# KiCad board CPU2908C.kicad_pcb (continued)
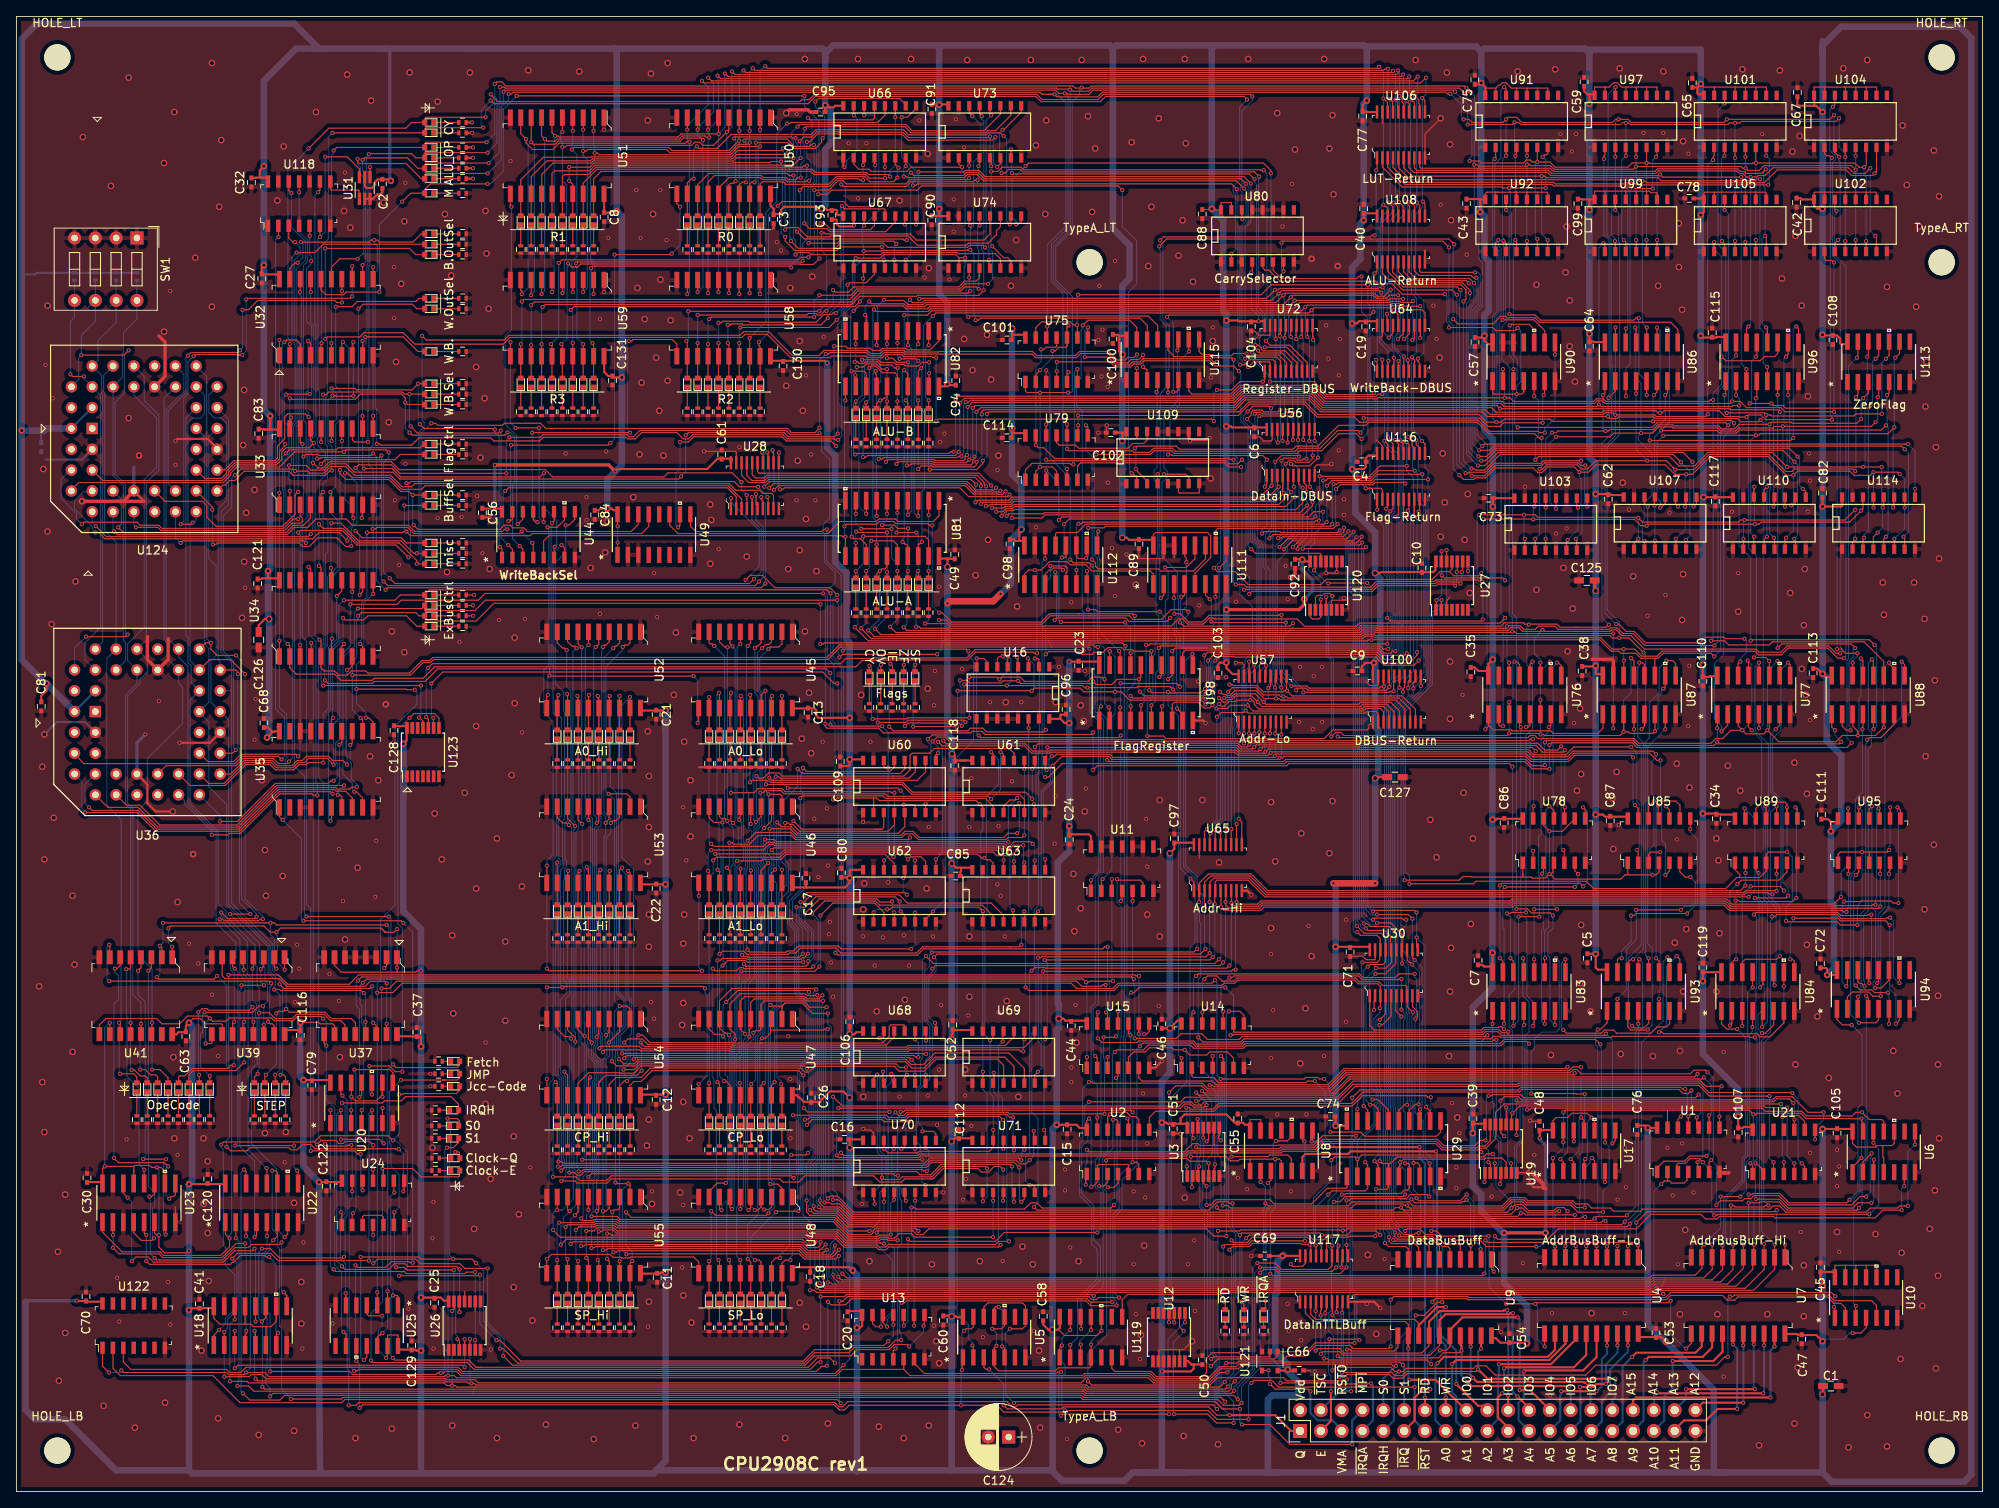
[diagram p0: board, top side]
## Nets (continued)
/Executer/WRO7: U57.9 U63.9 U85.13
/Executer/WRO8: U65.2 U68.7 U89.2
/Executer/WRO9: U65.3 U68.9 U89.5
/Executer/WRO10: U65.4 U69.7 U89.10
/Executer/WRO11: U65.5 U69.9 U89.13
/Executer/WRO12: U65.6 U70.7 U95.2
/Executer/WRO13: U65.7 U70.9 U95.5
/Executer/WRO14: U65.8 U71.7 U95.10
/Executer/WRO15: U65.9 U71.9 U95.13
/IO0: J1.18 U9.12 U117.2
/IO1: J1.20 U9.13 U117.3
/IO2: J1.22 U9.14 U117.4
/IO3: J1.24 U9.15 U117.5
/IO4: J1.26 U9.16 U117.6
/IO5: J1.28 U9.17 U117.7
/IO6: J1.30 U9.18 U117.8
/IO7: J1.32 U9.19 U117.9
/IRQH: J1.9 U10.5 U14.2
/Q: D160.2 U2.6 U25.11 U44.5 U81.11 U82.11
/S0: J1.10 S0.2 U14.4 U17.9 U22.3 U122.1
/S1: J1.12 S1.2 U13.5 U14.5 U17.5 U22.6
/Sequencer/BROM/A0: D148.2 U36.24 U37.14 U124.24
/Sequencer/BROM/A1: D149.2 U36.25 U37.13 U124.25
/Sequencer/BROM/A2: D150.2 U36.26 U37.12 U124.26
/Sequencer/BROM/A3: D151.2 U36.27 U37.11 U124.27
/Sequencer/BROM/A4: D152.2 U36.28 U39.14 U124.28
/Sequencer/BROM/A5: D153.2 U36.29 U39.13 U124.29
/Sequencer/BROM/A6: D154.2 U36.30 U39.12 U124.30
/Sequencer/BROM/A7: D155.2 U36.31 U39.11 U124.31
/Sequencer/BROM/A8: D156.2 U36.32 U41.14 U124.32
/Sequencer/BROM/A9: D157.2 U36.35 U41.13 U124.35
/Sequencer/BROM/A10: D158.2 U36.36 U41.12 U124.36
/Sequencer/BROM/A11: D159.2 U36.37 U41.11 U124.37
/Sequencer/BROM/A12: R150.2 SW1.8 U36.38 U124.38
/Sequencer/BROM/A13: R149.2 SW1.7 U36.39 U124.39
/Sequencer/BROM/A14: R148.2 SW1.6 U36.40 U124.40
/Sequencer/BROM/A15: R129.2 SW1.5 U36.41 U124.41
/Sequencer/BROM/load: U25.9 U37.9 U39.9 U41.9
/Sequencer/BROM/update: U24.8 U37.2 U39.2 U41.2
/Sequencer/CY: D28.2 U16.6 U80.6 U98.2 U116.2
/Sequencer/D0: U32.3 U124.21
/Sequencer/D1: U32.4 U124.20
/Sequencer/D2: U32.7 U124.19
/Sequencer/D3: U32.8 U124.18
/Sequencer/D4: U32.13 U124.17
/Sequencer/D5: U32.14 U124.16
/Sequencer/D6: U32.17 U124.15
/Sequencer/D7: U32.18 U124.14
/Sequencer/D8: U33.3 U124.11
/Sequencer/D9: U33.4 U124.10
/Sequencer/D10: U28.2 U33.7 U124.9
/Sequencer/D11: U28.3 U33.8 U124.8
/Sequencer/D12: U28.4 U118.9 U124.7
/Sequencer/D13: U28.5 U33.14 U124.6
/Sequencer/D14: U28.6 U33.17 U124.5
/Sequencer/D15: U28.7 U33.18 U124.4
/Sequencer/D16: U28.8 U34.3 U36.21
/Sequencer/D17: U28.9 U36.20 U118.12
/Sequencer/D18: U34.7 U36.19
/Sequencer/D19: U34.8 U36.18
/Sequencer/D20: U19.9 U21.5 U34.13 U36.17
/Sequencer/D21: U34.14 U36.16
/Sequencer/D22: U34.17 U36.15
/Sequencer/D23: U36.14 U118.5
/Sequencer/D23B: U19.13 U24.13 U31.6 U118.6
/Sequencer/D24: U36.11
/Sequencer/D25: U36.10
/Sequencer/D26: U35.7 U36.9
/Sequencer/D27: U35.8 U36.8
/Sequencer/D28: U35.13 U36.7
/Sequencer/D29: U35.14 U36.6
/Sequencer/D30: U36.5
/Sequencer/D31: U36.4 U118.2
/Sequencer/D31B: D185.2 U25.2 U25.12 U118.3
/Sequencer/DO0: U28.18 U29.19 U30.18 U56.2
/Sequencer/DO1: U28.17 U29.18 U30.17 U56.3
/Sequencer/DO2: U28.16 U29.17 U30.16 U56.4
/Sequencer/DO3: U28.15 U29.16 U30.15 U56.5
/Sequencer/DO4: U28.14 U29.15 U30.14 U56.6
/Sequencer/DO5: U28.13 U29.14 U30.13 U56.7
/Sequencer/DO6: U28.12 U29.13 U30.12 U56.8
/Sequencer/DO7: U28.11 U29.12 U30.11 U56.9
/Sequencer/DO_JUMP: D182.2 U24.6 U26.3
/Sequencer/FlagIn3: D29.2 U11.1 U16.5 U98.9 U116.5
/Sequencer/FlagIn6: D31.2 U15.2 U16.4 U98.16 U116.8
/Sequencer/FlagIn7: D32.2 U11.2 U16.3 U98.19 U116.9
/Sequencer/JG: U20.10 U123.8
/Sequencer/JL: U11.3 U15.1 U20.4
/Sequencer/JUMP_OP: D183.2 U13.11 U18.1
/Sequencer/OP4: U18.4 U23.2
/Sequencer/OP5: U18.7 U23.5
/Sequencer/OP6: U18.12 U23.14
/Sequencer/OP7: U18.9 U23.11
/Sequencer/OpeCode0: U22.4 U39.3
/Sequencer/OpeCode1: U22.7 U39.4
/Sequencer/OpeCode2: U22.12 U39.5
/Sequencer/OpeCode3: U22.9 U39.6
/Sequencer/OpeCode4: U23.4 U41.3
/Sequencer/OpeCode5: U23.7 U41.4
/Sequencer/OpeCode6: U23.12 U41.5
/Sequencer/OpeCode7: U23.9 U41.6
/Sequencer/RegCtrl20: D21.2 U34.12
/TSC: U3.2 U4.1 U7.1 U8.1 U8.4 U8.10
/VMA: J1.5 U121.4
/~{clkE}: U3.8 U25.3 U29.11 U32.11 U33.11 U34.11 U35.11 U44.4
/~{clkQ}: U3.6 U6.3 U21.2 U98.11
/~{IRQA}: J1.7 U8.3
/~{IRQ}: J1.11 U10.2
/~{MPI}: J1.8 U5.8 U5.12
/~{RD}: J1.14 U8.8
/~{Reset}: J1.13 U1.13 U5.1 U5.13 U6.1 U6.13 U17.1 U17.13 U21.1 U25.10 U32.1 U33.1 U34.1 U35.1 U119.1 U119.13
/~{TSC}: J1.4 U1.12
/~{WR}: J1.16 U8.6
Net-(D1-Pad1): D1.1 R1.2
Net-(D2-Pad1): D2.1 R2.2
Net-(D3-Pad1): D3.1 R3.2
Net-(D4-Pad1): D4.1 R4.2
Net-(D5-Pad1): D5.1 R5.2
Net-(D6-Pad1): D6.1 R6.2
Net-(D7-Pad1): D7.1 R7.2
Net-(D8-Pad1): D8.1 R8.2
Net-(D9-Pad1): D9.1 R9.2
Net-(D10-Pad1): D10.1 R10.2
Net-(D11-Pad1): D11.1 R11.2
Net-(D12-Pad1): D12.1 R12.2
Net-(D13-Pad1): D13.1 R13.2
Net-(D14-Pad1): D14.1 R14.2
Net-(D15-Pad1): D15.1 R15.2
Net-(D16-Pad1): D16.1 R16.2
Net-(D17-Pad1): D17.1 R17.2
Net-(D18-Pad1): D18.1 R18.2
Net-(D19-Pad1): D19.1 R19.2
Net-(D20-Pad1): D20.1 R20.2
Net-(D21-Pad1): D21.1 R21.2
Net-(D22-Pad1): D22.1 R22.2
Net-(D23-Pad1): D23.1 R23.2
Net-(D24-Pad1): D24.1 R24.2
Net-(D25-Pad1): D25.1 R25.2
Net-(D26-Pad1): D26.1 R26.2
Net-(D27-Pad1): D27.1 R27.2
Net-(D28-Pad1): D28.1 R28.2
Net-(D29-Pad1): D29.1 R29.2
Net-(D30-Pad1): D30.1 R30.2
Net-(D31-Pad1): D31.1 R31.2
Net-(D32-Pad1): D32.1 R32.2
Net-(D33-Pad1): D33.1 R33.2
Net-(D34-Pad1): D34.1 R34.2
Net-(D35-Pad1): D35.1 R35.2
Net-(D36-Pad1): D36.1 R36.2
Net-(D37-Pad1): D37.1 R37.2
Net-(D38-Pad1): D38.1 R38.2
Net-(D39-Pad1): D39.1 R39.2
Net-(D40-Pad1): D40.1 R40.2
Net-(D41-Pad1): D41.1 R41.2
Net-(D42-Pad1): D42.1 R42.2
Net-(D43-Pad1): D43.1 R43.2
Net-(D44-Pad1): D44.1 R44.2
Net-(D45-Pad1): D45.1 R45.2
Net-(D46-Pad1): D46.1 R46.2
Net-(D47-Pad1): D47.1 R47.2
Net-(D48-Pad1): D48.1 R48.2
Net-(D49-Pad1): D49.1 R49.2
Net-(D50-Pad1): D50.1 R50.2
Net-(D51-Pad1): D51.1 R51.2
Net-(D52-Pad1): D52.1 R52.2
Net-(D53-Pad1): D53.1 R53.2
Net-(D54-Pad1): D54.1 R54.2
Net-(D55-Pad1): D55.1 R55.2
Net-(D56-Pad1): D56.1 R56.2
Net-(D57-Pad1): D57.1 R57.2
Net-(D58-Pad1): D58.1 R58.2
Net-(D59-Pad1): D59.1 R59.2
Net-(D60-Pad1): D60.1 R60.2
Net-(D61-Pad1): D61.1 R61.2
Net-(D62-Pad1): D62.1 R62.2
Net-(D63-Pad1): D63.1 R63.2
Net-(D64-Pad1): D64.1 R64.2
Net-(D65-Pad1): D65.1 R65.2
Net-(D66-Pad1): D66.1 R66.2
Net-(D67-Pad1): D67.1 R67.2
Net-(D68-Pad1): D68.1 R68.2
Net-(D69-Pad1): D69.1 R69.2
Net-(D70-Pad1): D70.1 R70.2
Net-(D71-Pad1): D71.1 R71.2
Net-(D72-Pad1): D72.1 R72.2
Net-(D73-Pad1): D73.1 R73.2
Net-(D74-Pad1): D74.1 R74.2
Net-(D75-Pad1): D75.1 R75.2
Net-(D76-Pad1): D76.1 R76.2
Net-(D77-Pad1): D77.1 R77.2
Net-(D78-Pad1): D78.1 R78.2
Net-(D79-Pad1): D79.1 R79.2
Net-(D80-Pad1): D80.1 R80.2
Net-(D81-Pad1): D81.1 R81.2
Net-(D82-Pad1): D82.1 R82.2
Net-(D83-Pad1): D83.1 R83.2
Net-(D84-Pad1): D84.1 R84.2
Net-(D85-Pad1): D85.1 R85.2
Net-(D86-Pad1): D86.1 R86.2
Net-(D87-Pad1): D87.1 R87.2
Net-(D88-Pad1): D88.1 R88.2
Net-(D89-Pad1): D89.1 R89.2
Net-(D90-Pad1): D90.1 R90.2
Net-(D91-Pad1): D91.1 R91.2
Net-(D92-Pad1): D92.1 R92.2
Net-(D93-Pad1): D93.1 R93.2
Net-(D94-Pad1): D94.1 R94.2
Net-(D95-Pad1): D95.1 R95.2
Net-(D96-Pad1): D96.1 R96.2
Net-(D97-Pad1): D97.1 R97.2
Net-(D98-Pad1): D98.1 R98.2
Net-(D99-Pad1): D99.1 R99.2
Net-(D100-Pad1): D100.1 R100.2
Net-(D101-Pad1): D101.1 R101.2
Net-(D102-Pad1): D102.1 R102.2
Net-(D103-Pad1): D103.1 R103.2
Net-(D104-Pad1): D104.1 R104.2
Net-(D105-Pad1): D105.1 R105.2
Net-(D106-Pad1): D106.1 R106.2
Net-(D107-Pad1): D107.1 R107.2
Net-(D108-Pad1): D108.1 R108.2
Net-(D109-Pad1): D109.1 R109.2
Net-(D110-Pad1): D110.1 R110.2
Net-(D111-Pad1): D111.1 R111.2
Net-(D112-Pad1): D112.1 R112.2
Net-(D113-Pad1): D113.1 R113.2
Net-(D114-Pad1): D114.1 R114.2
Net-(D115-Pad1): D115.1 R115.2
Net-(D116-Pad1): D116.1 R116.2
Net-(D117-Pad1): D117.1 R117.2
Net-(D118-Pad1): D118.1 R118.2
Net-(D119-Pad1): D119.1 R119.2
Net-(D120-Pad1): D120.1 R120.2
Net-(D121-Pad1): D121.1 R121.2
Net-(D122-Pad1): D122.1 R122.2
Net-(D123-Pad1): D123.1 R123.2
Net-(D124-Pad1): D124.1 R124.2
Net-(D125-Pad1): D125.1 R125.2
Net-(D126-Pad1): D126.1 R126.2
Net-(D127-Pad1): D127.1 R127.2
Net-(D128-Pad1): D128.1 R128.2
Net-(D129-Pad1): D129.1 R130.2
Net-(D130-Pad1): D130.1 R131.2
Net-(D131-Pad1): D131.1 R132.2
Net-(D132-Pad1): D132.1 R133.2
Net-(D133-Pad1): D133.1 R134.2
Net-(D134-Pad1): D134.1 R135.2
Net-(D135-Pad1): D135.1 R136.2
Net-(D136-Pad1): D136.1 R137.2
Net-(D137-Pad1): D137.1 R138.2
Net-(D138-Pad1): D138.1 R139.2
Net-(D139-Pad1): D139.1 R140.2
Net-(D140-Pad1): D140.1 R141.2
Net-(D141-Pad1): D141.1 R142.2
Net-(D142-Pad1): D142.1 R143.2
Net-(D143-Pad1): D143.1 R144.2
Net-(D144-Pad1): D144.1 R145.2
Net-(D145-Pad1): D145.1 R172.2
Net-(D145-Pad2): D145.2 U6.8 U8.2
Net-(D146-Pad1): D146.1 R173.2
Net-(D146-Pad2): D146.2 U8.5 U119.6
Net-(D147-Pad1): D147.1 R174.2
Net-(D147-Pad2): D147.2 U8.9 U119.8
Net-(D148-Pad1): D148.1 R175.2
Net-(D149-Pad1): D149.1 R176.2
Net-(D150-Pad1): D150.1 R177.2
Net-(D151-Pad1): D151.1 R178.2
Net-(D152-Pad1): D152.1 R179.2
Net-(D153-Pad1): D153.1 R180.2
Net-(D154-Pad1): D154.1 R181.2
Net-(D155-Pad1): D155.1 R182.2
Net-(D156-Pad1): D156.1 R183.2
Net-(D157-Pad1): D157.1 R184.2
Net-(D158-Pad1): D158.1 R185.2
Net-(D159-Pad1): D159.1 R186.2
Net-(D160-Pad1): D160.1 R146.2
Net-(D161-Pad1): D161.1 R147.2
Net-(D182-Pad1): D182.1 R187.2
Net-(D183-Pad1): D183.1 R188.2
Net-(D184-Pad1): D184.1 R189.2
Net-(D184-Pad2): D184.2 U17.3 U17.11 U25.6
Net-(D185-Pad1): D185.1 R190.2
Net-(J1-Pad6): J1.6
Net-(R170-Pad2): R170.2 S0.1
Net-(R171-Pad2): R171.2 S1.1
Net-(U1-Pad3): U1.3 U6.12
Net-(U1-Pad5): U1.5 U3.10
Net-(U1-Pad6): U1.6 U6.2 U119.2
Net-(U1-Pad8): U1.8 U119.12
Net-(U1-Pad10): U1.10 U3.12
Net-(U1-Pad11): U1.11 U3.1
Net-(U2-Pad8): U2.8 U4.11 U7.11
Net-(U2-Pad11): U2.11 U9.11
Net-(U5-Pad6): U5.6
Net-(U5-Pad9): U5.9
Net-(U5-Pad11): U5.5 U5.11
Net-(U6-Pad5): U6.5
Net-(U6-Pad9): U6.9
Net-(U8-Pad11): U8.11
Net-(U10-Pad1): U10.1 U12.2
Net-(U10-Pad6): U10.6
Net-(U10-Pad8): U10.8
Net-(U10-Pad9): U10.9
Net-(U11-Pad4): U11.4 U16.7
Net-(U11-Pad5): U11.5 U19.2 U20.11
Net-(U11-Pad6): U11.6 U13.9
Net-(U11-Pad8): U11.8
Net-(U11-Pad11): U11.11
Net-(U12-Pad1): U12.1 U13.6
Net-(U12-Pad3): U12.3 U14.6 U15.5
Net-(U12-Pad4): U12.4 U17.12
Net-(U12-Pad8): U12.8
Net-(U12-Pad12): U12.12
Net-(U13-Pad4): U13.4 U15.10 U17.8
Net-(U13-Pad8): U13.8 U24.4
Net-(U13-Pad10): U13.10 U15.13 U19.4
Net-(U13-Pad12): U13.12 U15.11
Net-(U13-Pad13): U13.13 U14.8
Net-(U14-Pad9): U14.9 U19.6
Net-(U15-Pad6): U15.6 U17.2
Net-(U15-Pad8): U15.8 U22.1 U23.1
Net-(U15-Pad12): U15.12 U20.3 U20.9 U20.12
Net-(U16-Pad9): U16.9
Net-(U18-Pad3): U18.3 U26.4
Net-(U19-Pad8): U19.8 U21.10
Net-(U19-Pad10): U19.10 U30.1
Net-(U19-Pad11): U19.11 U21.8
Net-(U19-Pad12): U19.12 U21.4 U21.9 U28.1
Net-(U20-Pad1): U20.1 U26.6
Net-(U20-Pad2): U20.2 U26.12
Net-(U20-Pad6): U20.6 U24.1
Net-(U20-Pad8): U20.8 U24.2
Net-(U21-Pad3): U21.3 U24.9 U25.1
Net-(U21-Pad6): U3.3 U21.6
Net-(U24-Pad3): U24.3 U24.5
Net-(U24-Pad11): U24.11 U34.4
Net-(U25-Pad5): U25.5
Net-(U25-Pad8): U25.8
Net-(U26-Pad2): U26.2
Net-(U26-Pad8): U26.8
Net-(U26-Pad10): U26.10
Net-(U27-Pad2): U27.2 U78.1 U78.4 U78.9 U78.12 U85.1 U85.4 U85.9 U85.12
Net-(U27-Pad4): U27.4
Net-(U27-Pad8): U27.8 U75.9 U75.13
Net-(U27-Pad9): U27.9 U79.6
Net-(U27-Pad10): U27.10 U79.12
Net-(U27-Pad12): U27.12 U89.1 U89.4 U89.9 U89.12 U95.1 U95.4 U95.9 U95.12
Net-(U29-Pad1): U3.4 U29.1
Net-(U31-Pad4): U31.4 U33.13
Net-(U34-Pad19): U34.19
Net-(U35-Pad2): U35.2
Net-(U35-Pad5): U35.5
Net-(U35-Pad16): U35.16
Net-(U35-Pad19): U35.19
Net-(U36-Pad1): U36.1
Net-(U36-Pad2): U36.2
Net-(U36-Pad13): U36.13
Net-(U36-Pad23): U36.23
Net-(U36-Pad33): U36.33
Net-(U36-Pad42): U36.42
Net-(U37-Pad15): U37.15 U39.7
Net-(U39-Pad15): U39.15 U41.7
Net-(U41-Pad15): U41.15
Net-(U49-Pad4): U49.4
Net-(U49-Pad5): U49.5
Net-(U49-Pad6): U49.6
Net-(U49-Pad7): U49.7
Net-(U49-Pad10): U49.10 U82.1
Net-(U49-Pad11): U49.11 U81.1
Net-(U49-Pad12): U49.12
Net-(U75-Pad3): U75.3 U77.1 U88.1
Net-(U75-Pad6): U75.6 U79.1
Net-(U76-Pad4): U76.4 U83.5
Net-(U76-Pad7): U76.7 U83.3
Net-(U76-Pad9): U76.9 U83.12
Net-(U76-Pad12): U76.12 U83.14
Net-(U77-Pad4): U77.4 U84.5
Net-(U77-Pad7): U77.7 U84.3
Net-(U77-Pad9): U77.9 U84.12
Net-(U77-Pad12): U77.12 U84.14
Net-(U79-Pad9): U79.9 U90.8
Net-(U79-Pad10): U79.10 U90.6
Net-(U80-Pad9): U80.9
Net-(U83-Pad9): U83.9 U93.7
Net-(U84-Pad7): U84.7 U93.9
Net-(U84-Pad9): U84.9 U94.7
Net-(U86-Pad7): U86.7 U96.9
Net-(U87-Pad4): U87.4 U93.5
Net-(U87-Pad7): U87.7 U93.3
Net-(U87-Pad9): U87.9 U93.12
Net-(U87-Pad12): U87.12 U93.14
Net-(U88-Pad4): U88.4 U94.5
Net-(U88-Pad7): U88.7 U94.3
Net-(U88-Pad9): U88.9 U94.12
Net-(U88-Pad12): U88.12 U94.14
Net-(U90-Pad10): U90.3 U90.10
Net-(U91-Pad9): U91.9
Net-(U92-Pad9): U92.9
Net-(U94-Pad9): U94.9
Net-(U97-Pad9): U97.9
Net-(U99-Pad9): U99.9
Net-(U100-Pad1): U100.1 U115.4
Net-(U101-Pad9): U101.9
Net-(U102-Pad9): U102.9
Net-(U103-Pad2): U75.11 U79.13 U103.2 U107.2 U110.2 U114.2
Net-(U103-Pad14): U27.11 U75.8 U103.14 U107.14 U110.14 U114.14
Net-(U104-Pad9): U104.9
Net-(U105-Pad9): U105.9
Net-(U106-Pad1): U106.1 U115.5
Net-(U108-Pad1): U108.1 U115.6
Net-(U109-Pad4): U86.9 U109.4
Net-(U109-Pad9): U109.9
Net-(U109-Pad14): U79.11 U109.14
Net-(U111-Pad4): U98.3 U111.4
Net-(U111-Pad7): U98.4 U111.7
Net-(U111-Pad9): U98.8 U111.9
Net-(U111-Pad12): U98.7 U111.12
Net-(U112-Pad4): U98.13 U112.4
Net-(U112-Pad7): U98.14 U112.7
Net-(U112-Pad9): U98.18 U112.9
Net-(U112-Pad12): U98.17 U112.12
Net-(U113-Pad1): U113.1
Net-(U113-Pad6): U113.6
Net-(U113-Pad8): U113.8
Net-(U115-Pad7): U115.7 U116.1
Net-(U115-Pad9): U64.1 U115.9
Net-(U115-Pad10): U56.1 U115.10
Net-(U115-Pad11): U65.1 U115.11
Net-(U115-Pad12): U57.1 U115.12
Net-(U115-Pad15): U115.15 U123.10
Net-(U118-Pad8): U31.1 U118.8
Net-(U118-Pad11): U24.12 U118.11
Net-(U119-Pad5): U119.5
Net-(U119-Pad9): U119.9
Net-(U120-Pad1): U79.3 U120.1 U120.3
Net-(U120-Pad6): U120.6
Net-(U120-Pad8): U120.8
Net-(U120-Pad10): U120.10
Net-(U120-Pad12): U75.4 U120.12
Net-(U122-Pad2): U15.9 U17.6 U122.2
Net-(U122-Pad3): U15.4 U122.3
Net-(U123-Pad2): U123.2
Net-(U123-Pad9): U15.3 U123.9
Net-(U124-Pad1): U124.1
Net-(U124-Pad2): U124.2
Net-(U124-Pad13): U124.13
Net-(U124-Pad23): U124.23
Net-(U124-Pad33): U124.33
Net-(U124-Pad42): U124.42

Pads without a net: U12 5 6 10 11; U13 1 2 3; U14 3 11; U21 11 12 13; U27 5 6; U122 4 5 6 8 9 10 11 12 13; U123 3 4 5 6 12 13

## Via types
v1: diameter 0.8, hole 0.5, Top to Bottom, 463 vias
v2: diameter 0.5, hole 0.3, Top to Bottom, 3140 vias
v3: diameter 0.8, hole 0.4, Top to Bottom, 99 vias

## Routing (per net, layer and track width the routed paths; a pad name or vN(x,y) marks a point on that pad's centre or on a via; arc(x,y) is an arc through that point)
+5V: length 3584.1
  Top w0.127: 30.47,20.12 31.07,20.12 31.72,20.77 U18.10 ; 30.47,20.12 30.46,20.13 28.94,20.13 28.62,20.44 27.86,20.44 ; 30.47,20.12 30.47,18.47 ; 192.63,44.06 192.63,45.28 v2(192.26,45.65) 191.74,46.16 189.86,46.16 189.34,45.65 187.95,45.65 187.56,45.27 187.56,44.89 ; v2(49.39,63.56) 48.94,63.56 48.75,63.37 46.52,63.37 ; v2(45.13,16.31) 45.13,16.49 45.31,16.67 U25.13 45.31,19.1 46.59,19.1 46.59,18.34 ; U49.16 73.38,117.8 v2(73.39,117.78) ; 38.85,56.06 38.85,56.82 38.59,57.08 37.07,57.08 36.89,57.26 v3(34.66,57.26) ; 185.66,158.04 185.66,158.55 185.66,158.55 ; 13.83,39.68 14.34,39.68 ; 13.83,39.68 13.96,39.68 ; 13.83,39.68 v2(10.78,39.68) 10.53,39.43 10.53,38.41 ; 14.34,39.68 14.34,39.04 ; 14.34,39.68 14.46,39.8 16.27,39.8 16.51,39.56 ; 27.86,20.44 24.81,20.44 24.1,21.15 U18.16 ; 27.86,20.44 27.91,20.49 U18.13 ; 209.79,158.55 211.06,158.55 ; 209.79,158.55 209.79,158.04 ; 209.79,158.55 207.25,158.55 ; 211.06,158.55 212.33,158.55 ; 211.06,158.55 211.06,158.04 ; 16.51,39.56 16.51,39.55 v2(17.13,39.55) 17.64,39.55 18.13,39.06 U23.10 ; 16.51,39.56 16.63,39.56 16.64,39.56 ; 14.34,39.04 14.34,39.3 ; 14.34,39.04 14.34,38.41 ; 199,158.67 199.31,158.67 199.49,158.49 200.2,158.49 200.26,158.42 200.26,157.79 ; 199,158.67 199,157.79 ; 199,158.67 197.59,158.67 ; U6.14 224.12,42.49 224.58,42.04 226.88,42.04 227.07,42.22 227.82,42.22 ; 179.31,171.25 180.58,171.25 ; 180.58,171.25 180.96,171.63 181.09,171.63 181.35,171.89 181.86,171.89 181.86,171.88 182.48,171.25 183.12,171.25 ; 180.58,171.25 180.58,170.74 ; 197.72,171.38 197.72,170.74 ; 197.72,171.38 199,171.38 ; 197.72,171.38 196.46,171.38 ; 212.33,158.55 213.47,158.55 213.6,158.42 213.6,158.04 ; 212.33,158.55 212.33,158.17 ; 209.79,170.62 209.79,171.38 ; 209.79,171.38 207.25,171.38 ; 209.79,171.38 211.06,171.38 ; v2(131.18,17.95) 131.18,16.95 ; 46.52,63.37 46.47,63.43 v2(46.47,63.94) 46.47,65.57 46.45,65.59 ; 46.52,63.37 39.66,63.37 38.83,64.21 U37.7 ; v2(32.75,63.68) 32.74,63.7 U39.1 ; 185.66,158.55 185.67,158.55 186.81,158.55 186.93,158.42 186.93,157.92 ; 185.66,158.55 184.39,158.55 ; 192.63,170.36 192.63,171.36 192.65,171.38 193.91,171.38 ; U23.6 16.86,31.57 17.13,31.3 v2(17.38,31.3) 17.38,29.85 18.1,29.14 20.81,29.14 v2(21.07,29.4) ; 223.25,158.55 224.52,158.55 ; 223.25,158.55 220.71,158.55 ; 223.25,158.55 223.25,158.04 ; 224.52,158.55 225.79,158.55 ; 224.52,158.55 224.52,158.04 ; C104.1 151.54,142.72 v2(151.62,142.8) ; 136.76,129.09 136.76,128.58 136.64,128.45 135.62,128.45 135.48,128.59 U109.16 ; 207.25,171.38 207.25,170.74 ; 207.25,171.38 205.98,171.38 v3(205.6,171.76) ; 184.39,158.55 184.37,158.53 U92.12 ; 184.39,158.55 183.12,158.55 ; 227.82,42.22 227.82,40.83 227.94,40.71 U6.4 ; 227.82,42.22 228.96,42.22 229.21,42.47 229.21,43.35 ; 224.52,171.38 225.79,171.38 ; 224.52,171.38 223.12,171.38 ; 224.52,171.38 224.52,170.74 ; 225.79,171.38 225.79,170.62 ; 225.79,171.38 227.06,171.38 227.06,170.49 ; 225.79,158.55 226.94,158.55 227.06,158.42 227.06,158.04 ; 225.79,158.55 225.79,158.04 ; 220.71,158.55 220.71,158.04 ; 220.71,158.55 219.54,158.55 219.43,158.44 U102.16 ; U10.14 221.97,27.6 221.98,27.61 223.25,27.61 ; 192.63,157.66 192.63,158.66 192.65,158.68 193.91,158.68 ; 180.58,158.55 180.56,158.53 U92.15 ; 180.58,158.55 179.48,158.55 179.29,158.36 U92.16 ; 180.58,158.55 180.83,158.55 ; 207.25,158.55 206.11,158.55 205.96,158.41 U105.16 ; 207.25,158.55 207.25,158.17 ; 220.71,171.38 220.71,170.62 ; 220.71,171.38 223.12,171.38 ; 220.71,171.38 219.44,171.38 219.43,171.36 U104.16 ; U80.4 150.85,148.89 v2(150.73,148.77) ; 225.79,20.5 225.79,19.99 225.16,19.36 v2(224.14,19.36) ; 211.06,171.38 212.33,171.38 ; 211.06,171.38 211.06,170.49 ; 212.33,171.38 213.6,171.38 213.6,170.62 ; 212.33,171.38 212.33,170.49 ; 199,171.38 199,170.74 ; 199,171.38 200.26,171.38 200.26,170.74 ; 196.46,157.92 196.46,158.68 196.33,158.68 ; 45.2,68.25 44.99,68.25 44.48,68.76 32.24,68.76 v2(31.74,68.25) 30.97,68.25 30.21,69.02 18.82,69.02 v2(18.55,68.74) ; 45.2,68.25 45.04,68.25 44.53,68.76 ; 45.2,68.25 46.09,68.25 v2(46.47,68.64) ; 185.66,171.25 186.93,171.25 186.93,170.62 ; 185.66,171.25 184.39,171.25 ; 185.66,171.25 185.66,170.62 ; U2.14 130.65,45.25 v2(130.92,45.52) ; U119.4 131.16,15.28 130.99,15.11 127.19,15.11 126.82,14.73 119.89,14.73 119.35,15.27 U5.4 119.35,17.52 v2(119.62,17.79) ; v2(19.02,66.48) 19.02,65.46 ; 224.52,27.61 224.52,26.85 ; 224.52,27.61 225.79,27.61 ; 224.52,27.61 223.25,27.61 ; 25.13,56.06 25.13,56.95 25.01,57.08 23.1,57.08 22.48,57.7 21.56,57.7 v3(21.07,57.21) ; 193.91,158.68 193.91,157.92 ; 193.91,158.68 196.33,158.68 ; 180.83,158.55 180.84,158.55 183.11,158.55 183.12,158.55 ; 180.83,158.55 180.96,158.55 ; 183.12,171.25 183.12,170.74 ; 183.12,171.25 184.39,171.25 ; v2(11.39,57.21) 11.4,57.2 U41.10 ; 196.46,171.38 195.95,171.38 195.43,171.89 194.94,171.89 194.42,171.38 193.91,171.38 ; 196.46,171.38 196.46,170.74 ; 127.18,19.8 127.93,19.05 131.89,19.05 v2(132.45,19.61) 132.43,19.63 U119.10 ; 223.12,171.38 223.25,171.38 223.25,170.49 ; 49.26,55.55 49.39,55.43 ; 183.12,158.55 182.87,158.55 ; 183.12,158.55 183.12,157.92 ; v2(44.64,21.45) 42.98,21.45 42.78,21.65 42.78,22.03 ; 225.79,27.61 227.06,27.61 227.06,26.72 ; 225.79,27.61 225.79,26.85 ; U111.16 138.78,116.75 139.05,117.02 145.4,117.02 145.78,116.64 145.78,113.97 143.88,112.07 143.88,111.31 ; v2(191.5,40.57) 191.36,40.43 U17.4 ; C88.1 145.82,156.43 v3(145.91,156.52) 146.04,156.39 U80.16 147.04,157.26 147.05,157.28 148.32,157.28 148.32,156.9 ; v2(73.39,115.81) 73.39,114.48 ; v2(119.11,19.87) 120.25,19.87 120.62,20.23 120.62,20.49 ; 196.33,158.68 197.37,158.68 197.38,158.67 197.59,158.67 ; 223.25,27.61 223.25,26.85 ; 193.91,171.38 193.91,170.74 ; 197.59,158.67 197.72,158.67 197.72,157.92 ; 184.39,171.25 184.39,170.74 ; v2(131.19,37.2) 131.37,37.2 131.92,37.76 U2.2 131.92,39.79 132.04,39.9 135.65,39.9 135.75,39.81 135.75,39.04 ; U8.14 150.59,45.38 150.61,45.39 151.88,45.39 151.88,44.76
  Top w0.25: 122.41,116.01 122.41,117.15 v1(122.67,117.4) ; 122.41,116.01 122.92,116.01 ; 122.41,116.01 121.94,116.01 121.77,116.17 C98.1 ; 29.7,160.33 29.23,160.33 29.19,160.29 C32.1 ; 29.7,160.33 30.72,160.33 ; 29.7,160.33 29.7,161.22 v3(30.21,161.73) ; v1(114.16,76.64) 114.56,76.24 114.56,76.24 114.67,76.13 115.3,76.13 ; U13.14 103.22,22.01 103.2,22.03 101.46,22.03 ; 192.01,157.66 v3(192.01,156.39) ; 192.01,157.66 192.65,157.66 ; 192.01,157.66 191.14,157.66 191.1,157.7 C99.1 ; 113.65,113.85 114,113.85 114.04,113.81 C49.1 ; 113.65,113.85 v1(113.65,112.83) ; 113.65,113.85 112.64,113.85 ; 150.48,44.76 149.97,44.76 149.72,45.01 148.7,45.01 147.69,46.02 142.6,46.02 142.1,45.52 142.1,44.89 ; C16.1 103.24,42.98 ; C91.1 113.74,169.26 ; 142.1,57.46 141.72,57.46 v1(140.8,56.54) ; 179.31,170.49 179.31,171.38 v3(178.8,171.89) 178.63,171.72 C75.1 ; 164.2,100.26 164.2,100.64 164.71,101.15 164.73,101.13 v3(165.7,101.13) 165.57,101 U100.20 ; 32.75,56.32 34.66,56.32 v3(34.66,57.26) ; 180.2,140.01 179.63,140.01 179.18,140.46 v3(179.18,141.03) 178.97,140.81 C57.1 ; v3(79.23,74.1) 76.19,74.1 ; 113.27,21.48 114.07,21.48 v1(114.16,21.39) 114.72,21.39 114.85,21.26 115.56,21.26 ; C35.1 178.03,100.55 178.46,100.13 179.56,100.13 ; C48.1 186.41,44.08 186.46,44.12 187.44,44.12 ; 46.59,17.33 48.7,17.33 48.82,17.2 v3(49.39,17.2) ; 162.42,44.63 v3(161.02,44.63) 161.02,45.78 ; v3(201.34,18.28) 200.77,18.85 197.98,18.85 197.96,18.87 U4.20 ; 222.87,120.83 222.87,120.32 222.74,120.2 v3(220.46,120.2) ; 182.87,121.21 180.24,121.21 180.22,121.19 v3(180.22,120.18) ; 127.44,94.29 125.97,94.29 ; 127.44,94.29 127.44,94.74 127.49,94.8 128.13,94.8 ; 127.44,94.29 127.94,93.78 v3(128.51,93.78) ; U117.20 v3(154.55,28.76) 154.55,28.76 C69.1 ; C111.1 221.13,82.06 221.47,81.72 ; 30.21,129.59 31.99,129.59 ; 30.21,129.59 30.97,129.59 v3(30.97,131.25) ; 30.21,129.59 30.12,129.59 30.08,129.64 C83.1 ; C47.1 217.42,19.15 217.33,19.23 216.01,19.23 ; C1.1 220.52,11.93 v1(220.46,11.87) ; 96.91,27.38 101.69,27.38 v3(102.09,26.98) ; 96.91,27.38 94.75,27.38 ; 96.91,27.38 96.91,26.87 ; 221.47,81.72 v3(221.47,80.57) ; 221.47,81.72 222.24,81.72 ; v3(79.23,48.44) 76.19,48.44 ; 49.39,55.5 49.38,55.51 C37.1 48.38,55.51 ; v3(180.2,101.53) 179.68,101 U76.16 ; v1(134.99,116.39) 135.55,116.39 135.81,116.13 138.67,116.13 ; 152.39,142.8 149.34,142.8 ; 149.34,142.8 149.97,142.8 ; 149.34,142.8 149.21,142.8 149.12,142.9 v3(147.69,142.9) ; C65.1 205.18,171.34 ; 205.18,171.34 v3(205.6,171.76) ; 205.18,171.34 205.18,170.66 205.34,170.49 205.98,170.49 ; U102.16 219.43,156.92 219.82,156.52 v3(220.46,156.52) ; v3(220.46,141.15) 220.54,141.07 C108.1 222.23,141.07 222.62,140.68 222.62,140.14 222.74,140.01 223.38,140.01 ; v3(163.04,142.53) 163.6,142.53 163.87,142.8 166.1,142.8 ; U47.20 95.26,48.36 95.56,48.06 95.62,48.06 96.12,47.55 98.03,47.55 99.3,48.82 100.95,48.82 v1(101.71,48.06) ; 10.4,37.77 8.75,37.77 8.59,37.62 ; v3(30.21,149.66) 29.96,149.41 C27.1 ; v3(205.85,100.89) 205.85,99.37 ; 164.45,156.01 v3(164.45,155.12) ; 100.82,169.09 99.94,169.09 99.75,168.91 98.67,168.91 ; 219.31,100.43 219.81,100.43 v3(220.46,99.78) 220.86,99.38 221.6,99.38 ; 103.24,89.34 v3(101.71,89.34) 101.71,88.7 101.54,88.53 C109.1 ; v3(220.46,168.33) 219.7,169.09 219.44,169.09 ; 207.5,82.65 208,82.65 208.05,82.61 209.66,82.61 ; 76.19,26.6 78.54,26.6 78.67,26.72 v3(79.23,26.72) ; U120.14 157.18,113.5 v3(156.96,113.72) 156.92,113.76 C92.1 ; 31.29,92.7 31.47,92.7 31.55,92.78 U35.20 ; 31.29,92.7 31.24,92.7 30.71,93.23 C68.1 ; 31.29,92.7 v3(30.59,92) ; 134.61,141.03 134.48,141.15 133.97,141.15 ; 134.61,141.03 134.61,139.37 134.59,139.36 134.59,139.14 v1(134.99,138.74) ; 134.61,141.03 135.37,141.03 ; 183.75,82.1 180.71,82.1 180.61,82 v3(180.17,82) ; 127.37,20.63 127.37,19.99 127.11,19.74 v1(126.48,19.74) 125.97,19.74 125.34,20.38 C58.1 ; U62.16 101.84,75.87 101.71,75.75 v3(101.71,74.86) ; 112.76,155.63 112.64,155.76 112.64,156.65 ; 112.76,155.63 113.65,155.63 ; 112.76,155.63 112.27,155.63 112.23,155.67 C90.1 ; 220.2,26.72 220.2,25.96 220.46,25.71 v3(220.46,25.07) ; 30.85,111.43 31.99,111.43 ; 30.85,111.43 30.72,111.56 v3(30.72,112.32) ; 30.85,111.43 30.03,111.43 29.95,111.35 C121.1 ; 192.01,170.49 v3(192.01,169.35) ; 192.01,170.49 192.65,170.49 ; 192.01,170.49 191.76,170.49 191.38,170.87 191.38,171.38 ; 18.91,55.81 19.54,55.81 19.8,56.06 20.69,56.06 ; 219.44,169.09 219.44,169.85 ; 219.44,169.09 217.54,169.09 217.39,169.24 C67.1 ; 207.63,99.5 206.74,99.5 206.66,99.41 C110.1 ; 116.57,56.32 114.29,56.32 114.29,55.87 114.16,55.74 v1(114.16,55.17) ; 178.68,157.66 178.63,157.7 C43.1 ; 178.68,157.66 179.31,157.66 ; 178.68,157.66 v3(178.68,156.14) ; 121.53,141.15 121.53,140.64 ; 121.53,141.15 123.18,141.15 ; 121.53,141.15 v1(121.53,141.91) ; 115.3,76.13 115.3,75.7 115.22,75.61 C85.1 ; 115.3,76.13 116.7,76.13 ; v3(184.39,18.09) 184.31,18.17 C54.1 181.13,18.17 180.58,18.72 180.2,18.72 ; 115.94,89.21 116.57,89.21 ; 115.94,89.21 114.54,89.21 114.54,89.84 114.37,90.01 v1(114.2,90.01) ; 115.94,89.21 115.22,89.21 ; 59.3,119.94 v2(58.03,119.94) 57.01,119.94 ; C38.1 192.69,100.68 v3(192.77,100.77) 192.77,99.88 192.9,99.75 193.66,99.75 ; v1(30.85,106.48) 30.34,106.48 29.58,105.72 C126.1 ; v1(165.85,87.05) 165.97,87.18 166.93,87.18 ; v1(140.8,77.88) 141.34,78.42 141.34,79.05 141.21,79.18 143.62,79.18 ; v3(73.28,156.25) 72.71,156.25 72.5,156.04 71.77,156.04 71.74,156.07 71.74,157.53 ; 130.67,44.38 129.78,44.38 129.4,44.76 v3(126.99,44.76) ; 38.34,50.22 v3(35.04,50.22) ; 3.03,96.58 3.03,97.08 3.67,97.72 v3(3.67,98.61) ; 76.31,95.31 v3(79.23,95.31) 78.09,95.31 ; v1(101.71,41.97) 101.71,42.98 ; v2(139.82,14.66) 143.37,14.66 143.71,15 143.71,15.51 ; 149.08,99.75 148.45,99.75 147.69,100.51 v3(147.69,101.15) ; 87.23,126.04 85.58,126.04 84.31,124.77 73.39,124.77 v2(73.09,124.47) ; 31.99,148.52 30.09,148.52 29.81,148.79 ; 73.21,119.75 72.88,119.75 72.69,119.94 v3(72.12,119.94) 71.31,119.94 71.1,119.73 C84.1 ; v3(164.83,169.73) 164.32,169.22 C77.1 164.82,168.37 164.87,168.33 165.97,168.33 ; 98.67,168.91 98.73,168.97 v3(98.73,169.16) ; 98.67,168.91 98.67,168.46 ; v3(177.77,43.73) 177.77,44.87 177.79,44.89 179.31,44.89 ; v3(161.02,66.48) 165.21,66.48 ; 178.42,64.28 178.92,64.28 179.13,64.06 180.2,64.06 ; 10.53,23.17 8.62,23.17 8.59,23.2 ; 103.24,56.06 102.53,56.06 102.28,55.81 v1(101.71,55.81) 101.71,56.82 ; 144.77,15.51 143.71,15.51 ; 143.71,15.51 143.41,15.51 142.99,15.93 142.73,15.93 ; v1(127.24,57.71) 127.81,57.71 128.06,57.46 130.54,57.46 ; v3(163.04,124.75) 163.6,124.75 163.62,124.77 164.45,124.77 164.71,125.02 164.71,126.08 165.05,126.42 165.97,126.42 ; 210.17,44.34 210.67,44.34 210.84,44.5 211.82,44.5 ; v2(7.35,23.3) 7.39,23.25 C70.1 ; 173.21,113.21 173.21,112.45 172.96,112.2 171.69,112.2 171.56,112.07 171.44,112.2 166.54,112.2 166.41,112.07 v1(165.85,112.07) ; 46.09,93.4 47.61,93.4 47.61,93.15 47.63,93.13 47.63,91.64 v3(47.23,91.24) ; v3(192.77,82.61) 193.66,82.61 193.91,82.35 196.58,82.35 ; v3(205.6,155.76) 205.96,156.12 U105.16 ; U12.14 142.64,15.4 ; 193.79,140.26 192.55,140.26 192.51,140.31 C64.1 ; v3(147.69,101.15) 146.93,101.15 146.67,100.89 146.67,100.43 ; v3(147.69,101.15) 147.56,101.02 ; 96.51,73.72 101.14,73.72 101.71,74.29 v3(101.71,74.86) ; 96.51,73.72 94.73,73.72 ; 96.51,73.72 96.42,73.72 96.38,73.76 C17.1 ; C107.1 v3(210.17,45.78) ; v3(101.71,74.86) 101.63,74.94 C80.1 ; 194.3,121.59 194.17,121.72 v3(192.77,121.72) ; 134.99,129.21 135.37,129.21 ; 134.99,129.21 v1(134.99,128.23) ; 134.99,129.21 C102.1 ; v3(139.82,45.02) 140.38,45.02 140.51,44.89 142.1,44.89 ; 185.91,44.12 185.91,43.72 185.94,43.69 185.94,43.13 ; 72.76,136.07 72.88,135.94 v3(73.9,135.94) ; 194.04,63.68 193.03,63.68 192.77,63.94 v3(192.77,65.59) 192.73,65.63 191.76,65.63 ; v3(49.39,23.68) 51.8,23.68 52.18,23.3 52.69,23.3 ; C40.1 165.93,155.97 ; 220.46,121.21 220.46,120.45 ; v3(102.6,19.99) 102.98,19.99 103.24,20.25 103.24,21.14 ; C78.1 205.98,157.79 ; v3(220.46,44.25) 224.01,44.25 224.01,44.25 ; v3(147.69,129.98) 148.25,129.98 148.38,129.85 152.51,129.85 ; 208.52,140.9 207.58,140.9 207.5,140.81 205.81,140.81 v3(205.6,141.03) ; 217.92,19.1 219.7,19.1 v3(220.46,18.34) ; C76.1 198.83,44.67 v3(199.12,44.38) 200.01,44.38 ; v3(21.07,22.15) 21.28,22.37 C41.1 22.84,22.37 22.88,22.41 24.12,22.41 ; v3(101.71,94.42) 97.9,94.42 97.65,94.67 97.65,95.31 97.39,95.56 94.73,95.56 ; v3(205.85,82.73) 207.38,82.73 ; 209.54,121.34 v3(205.93,121.34) ; 217.28,157.83 217.78,157.83 217.95,157.66 219.31,157.66 ; 100.82,155.76 100.32,155.76 100.19,155.88 100.19,156.26 100.06,156.39 98.94,156.39 98.85,156.49 v3(98.28,156.49) 97.72,156.49 97.44,156.76 93.7,156.76 93.33,156.39 93.33,156.01 93.2,155.88 92.44,155.88 92.44,156.52 92.05,156.92 U50.20 ; 142.1,44.89 142.99,44.89 ; v3(21.07,57.21) 20.69,56.82 20.69,56.27 ; 121.53,129.16 123.12,129.16 ; 121.53,129.16 121.53,128.71 ; 121.53,129.16 v1(121.53,129.72) ; v3(36.94,37.77) 39.74,37.77 ; v3(192.01,141.28) 192.01,140.39 ; 132.07,101.27 v2(128.51,101.27) ; C66.1 155.28,14.79 v3(155.18,14.89) 155.06,14.77 153.96,14.77 ; 131.18,79.05 131.18,79.94 130.92,80.19 128.51,80.19 v3(128.51,81.21) ; U82.20 113.32,134.85 v3(113.62,135.15) 113.75,135.01 C94.1 ; C62.1 194.8,121.64 194.84,121.59 196.2,121.59 ; 32.12,93.27 31.86,93.27 ; v3(49.39,54.28) 49.39,55.43 ; v3(180.17,65.75) 180.18,65.73 U83.16 ; U84.16 206.06,63.38 205.85,63.17 v3(205.85,62.28) ; 71.74,137.85 71.74,136.63 72.26,136.11 C131.1 ; v1(114.16,42.73) 114.56,43.13 115.03,43.13 115.05,43.11 116.57,43.11 ; 42.53,159.95 42.53,159.29 42.76,159.06 43.37,159.06 43.8,159.49 43.8,159.82 44.1,160.12 C2.1 45.54,160.12 v3(45.71,159.95) ; C72.1 220.88,63.89 221.02,63.75 v3(221.02,63.05) 222.2,63.05 222.22,63.07 ; 48.34,55.55 46.34,55.55 ; 140.74,56.53 C46.1 ; 92.19,137.98 98.7,137.98 v2(98.96,137.72) ; C45.1 221.9,26.81 ; v3(21.07,37.52) 25.51,37.52